# Altium PCB Three Phase Inverter Based on IR2111 Gate Driver.PcbDoc
Units mm, origin at the board's own origin, x right, y up, seen from the top; angles counter-clockwise.
Board outline 145 x 100 mm, 2 copper layers (Top Layer, Bottom Layer); 98 components, 42 nets, 231 pads, 0 vias.
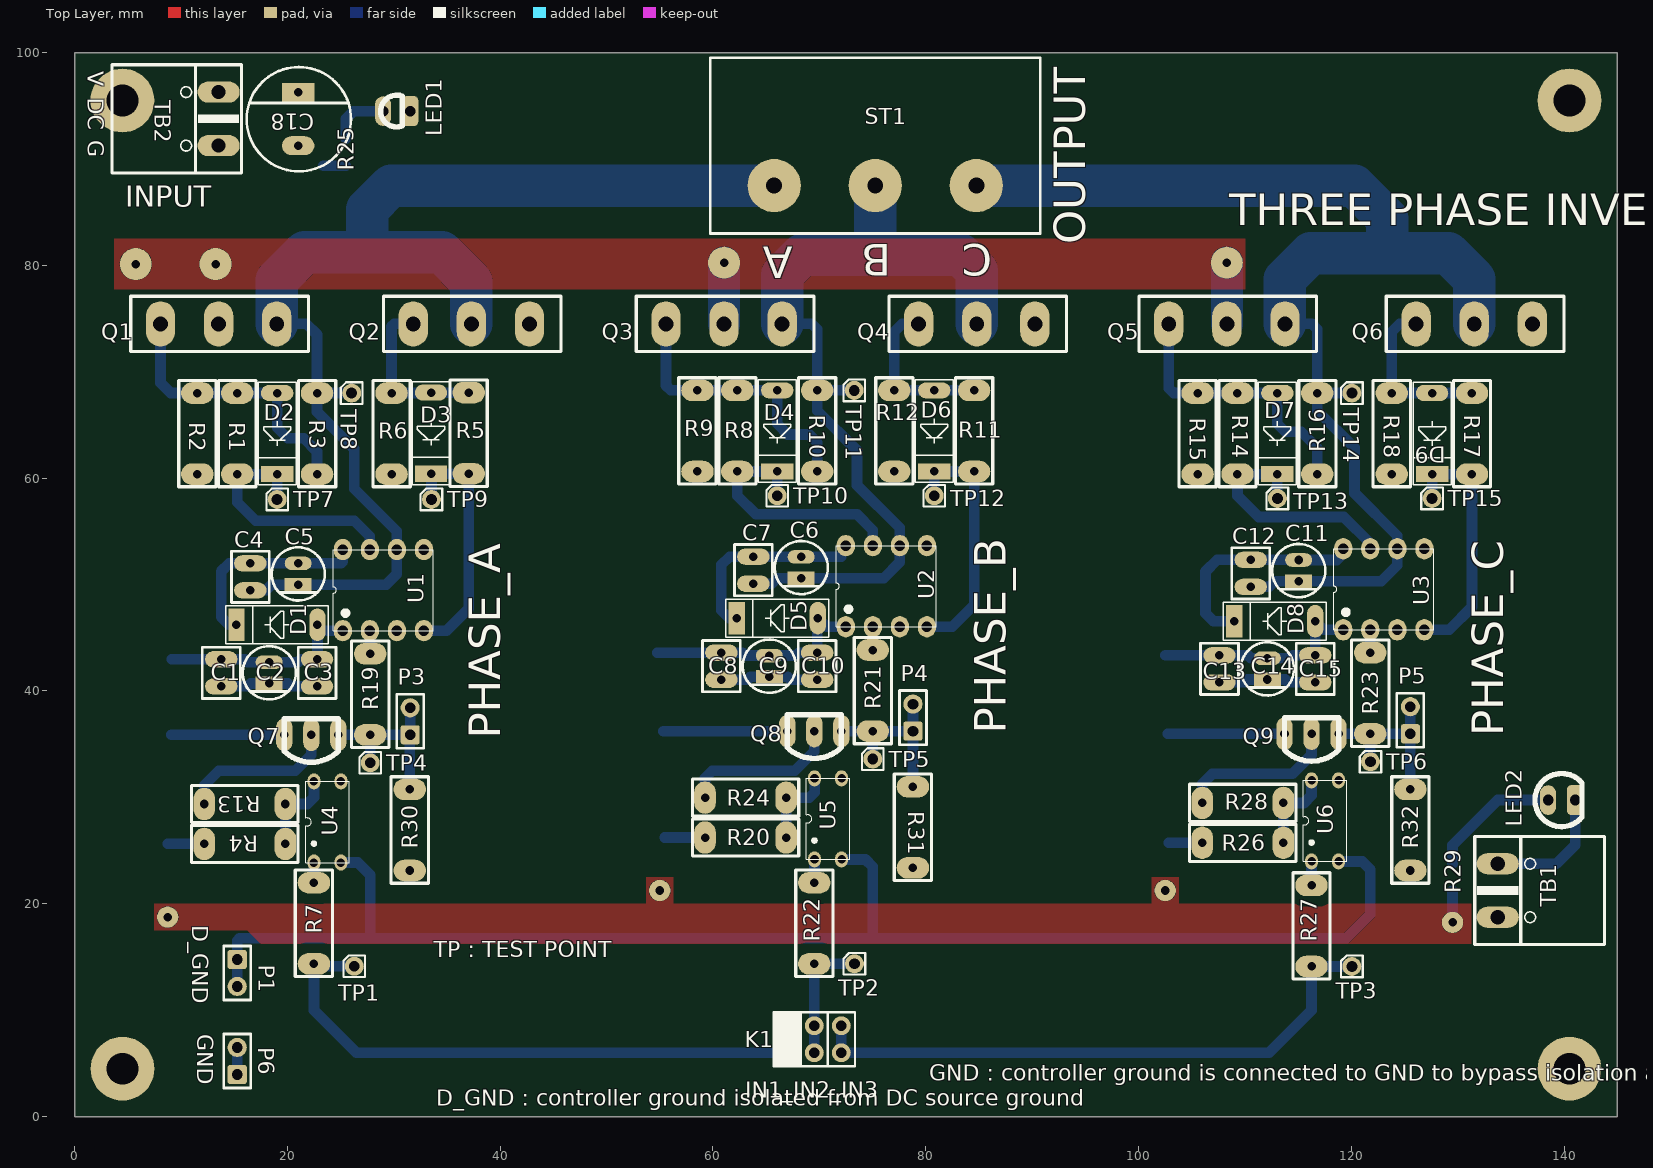
[diagram p0: Top Layer view]
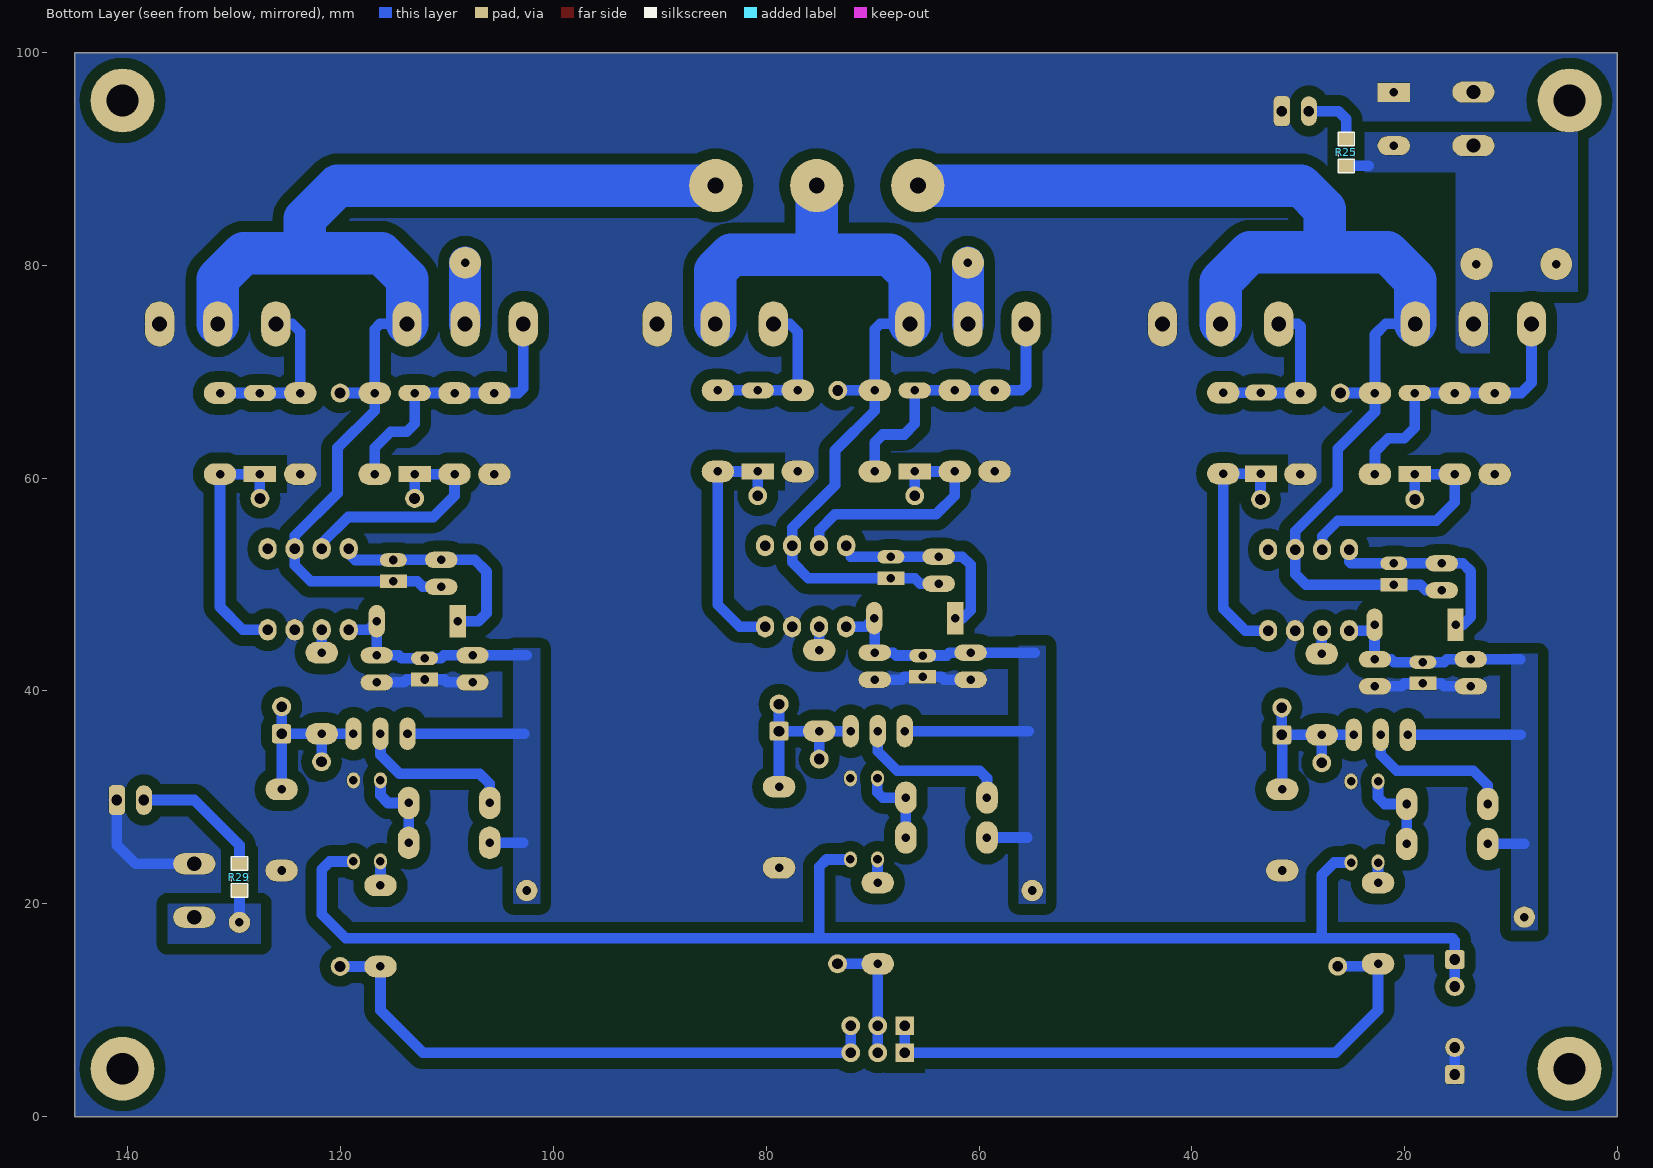
[diagram p1: Bottom Layer view, seen from below]
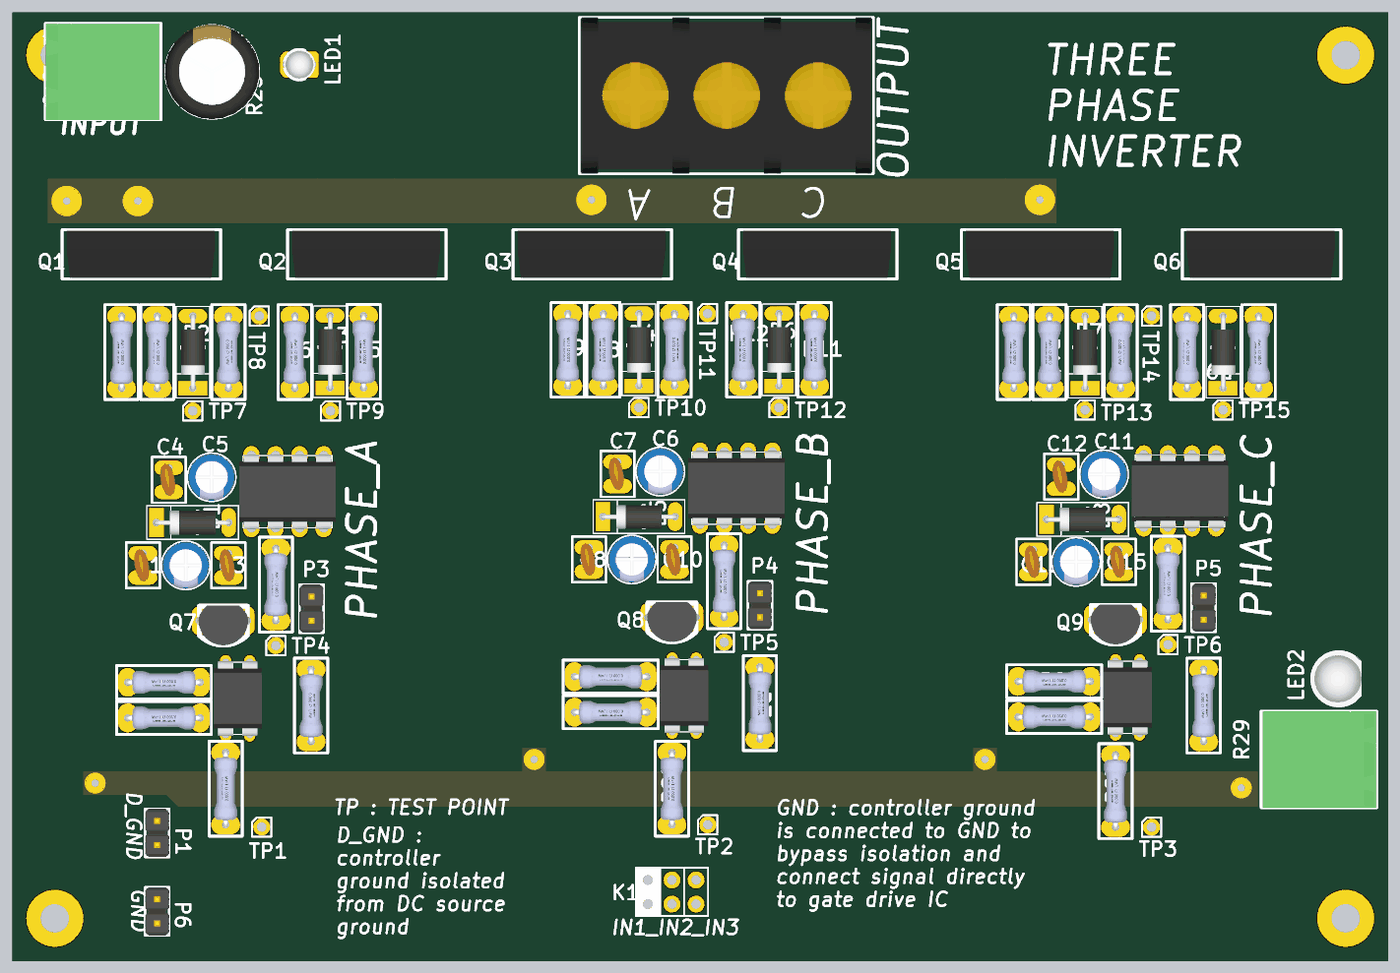
[diagram p2: 3D render of the assembled board from above, using the file's embedded part models]

## Layer stack, top to bottom
Top Solder: solder mask 0.0102, Solder Resist, Dk 3.5
Top Layer: signal copper 0.0356
Dielectric 1: dielectric 0.32, FR-4, Dk 4.8
Bottom Layer: signal copper 0.0356
Bottom Solder: solder mask 0.0102, Solder Resist, Dk 3.5

## Board outline
0,0 0,100 145,100 145,0

## Design rules (kind name [scope] priority, off if disabled: settings)
Clearance Clearance_PolyGon [InPolygon] p1: gap=1 ignorepadtopadclearanceinfootprint=FALSE
Clearance [All] p2: gap=0.5 ignorepadtopadclearanceinfootprint=FALSE
MatchedLengths DiffPair_MatchedLengths [InDifferentialPair ('pair1')] p1: tolerance=0.254 checknetsindiffpair=FALSE checkdiffpairvsdiffpair=TRUE checkxsignals=TRUE checkothers=TRUE
MatchedLengths pairs [InDifferentialPair ('pair1')] p2: tolerance=0.254 checknetsindiffpair=TRUE checkdiffpairvsdiffpair=FALSE checkxsignals=FALSE checkothers=FALSE
PolygonConnect [InPolygon] p1: connectstyle=Direct reliefconductorwidth=0.254 reliefentries=4 polygonreliefangle="90 Angle" airgapwidth=0.254
RoutingVias [All] p1: holewidth=0.711 width=1.8 viastyle="Through Hole" minholewidth=0.711 minwidth=1.5 maxholewidth=0.711 maxwidth=2
SolderMaskExpansion [All] p1: expansion=0.102 istentingtop=FALSE
UnRoutedNet [All] p1: checkbadconnections=TRUE
Width [All] p1: maxlimit=4 minlimit=1 preferedwidth=1
29 further rules are at their usual default settings.

## Components (designator, comment, footprint, x,y, rotation, side; value= is the part's Value field where it differs from the comment)
C1 "100nF" "CCAP 0.1 P Y" 13.79,41.71 r270 top
C2 "10uF" "ECAP 5X11X2MM" 18.29,41.71 r270 top
C3 "100nF" "CCAP 0.1 P Y" 22.79,41.71 r270 top
C4 "100nF" "CCAP 0.1 P Y" 16.52,50.73 r270 top
C5 "1uF" "ECAP 5X11X2MM" 21.02,51 r270 top
C6 "1uF" "ECAP 5X11X2MM" 68.29,51.6 r270 top
C7 "100nF" "CCAP 0.1 P Y" 63.79,51.35 r270 top
C8 "100nF" "CCAP 0.1 P Y" 60.79,42.33 r270 top
C9 "10uF" "ECAP 5X11X2MM" 65.29,42.33 r270 top
C10 "100nF" "CCAP 0.1 P Y" 69.79,42.33 r270 top
C11 "1uF" "ECAP 5X11X2MM" 115.04,51.31 r270 top
C12 "100nF" "CCAP 0.1 P Y" 110.54,51.06 r270 top
C13 "100nF" "CCAP 0.1 P Y" 107.6,42.08 r270 top
C14 "10uF" "ECAP 5X11X2MM" 112.1,42.08 r270 top
C15 "100nF" "CCAP 0.1 P Y" 116.6,42.08 r270 top
C18 "100uF" "ECAP 10X20X5MM" 21.02,93.75 r90 top
D1 "DIODE" DIODE-1N400X_0.3 19.02,46.23 r180 top
D2 "DIODE" DIODE-1N400X_0.3 19.04,64.19 r270 top
D3 "DIODE" DIODE-1N400X_0.3 33.5,64.23 r270 top
D4 "DIODE" DIODE-1N400X_0.3 66.04,64.44 r270 top
D5 "DIODE" DIODE-1N400X_0.3 66.04,46.85 r180 top
D6 "DIODE" DIODE-1N400X_0.3 80.79,64.44 r270 top
D7 "DIODE" DIODE-1N400X_0.3 113.04,64.19 r270 top
D8 "DIODE" DIODE-1N400X_0.3 112.79,46.56 r180 top
D9 "DIODE" DIODE-1N400X_0.3 127.58,64.19 r270 top
K1 "HEADER-2X3" HEADER-2X3 66.98,6 r90 top
LED1 "LED" "LED 3MM RED" 30.27,94.5 r0 top
LED2 "LED" "LED 5MM WHITE" 139.75,29.75 r0 top
P1 "Header 2" "PINHEADER X2" 15.29,13.5 r270 top
P3 "Header 2" "PINHEADER X2" 31.54,37.15 r90 top
P4 "Header 2" "PINHEADER X2" 78.79,37.5 r90 top
P5 "Header 2" "PINHEADER X2" 125.54,37.25 r90 top
P6 "Header 2" "PINHEADER X2" 15.29,5.23 r90 top
Q1 "MOSFET-N" TRANSISTOR-MOSFET_N_POWER 13.54,74.5 r0 top
Q2 "MOSFET-N" TRANSISTOR-MOSFET_N_POWER 37.29,74.5 r0 top
Q3 "MOSFET-N" TRANSISTOR-MOSFET_N_POWER 61.04,74.5 r0 top
Q4 "MOSFET-N" TRANSISTOR-MOSFET_N_POWER 84.79,74.5 r0 top
Q5 "MOSFET-N" TRANSISTOR-MOSFET_N_POWER 108.29,74.5 r0 top
Q6 "MOSFET-N" TRANSISTOR-MOSFET_N_POWER 131.54,74.5 r0 top
Q7 "PNP" "TRANSISTOR - DUPLICATE3" 22.25,35.88 r180 top
Q8 "PNP" "TRANSISTOR - DUPLICATE3" 69.52,36.23 r180 top
Q9 "PNP" "TRANSISTOR - DUPLICATE3" 116.25,35.98 r180 top
R1 "1.6R" "RESISTOR _1" 15.29,64.19 r90 top
R2 "10k" "RESISTOR _1" 11.54,64.19 r90 top
R3 "10k" "RESISTOR _1" 22.79,64.19 r270 top
R4 "10k" "RESISTOR _1" 16,25.63 r180 top
R5 "1.6R" "RESISTOR _1" 37.04,64.23 r90 top
R6 "10k" "RESISTOR _1" 29.79,64.19 r90 top
R7 "180R" "RESISTOR _1" 22.5,18.17 r90 top
R8 "1.6R" "RESISTOR _1" 62.29,64.44 r90 top
R9 "10k" "RESISTOR _1" 58.54,64.44 r90 top
R10 "10k" "RESISTOR _1" 69.79,64.44 r270 top
R11 "1.6R" "RESISTOR _1" 84.54,64.44 r90 top
R12 "10k" "RESISTOR _1" 77.04,64.44 r90 top
R13 "1k" "RESISTOR _1" 16,29.38 r180 top
R14 "1.6R" "RESISTOR _1" 109.29,64.19 r90 top
R15 "10k" "RESISTOR _1" 105.54,64.19 r90 top
R16 "10k" "RESISTOR _1" 116.79,64.19 r270 top
R17 "1.6R" "RESISTOR _1" 131.33,64.19 r90 top
R18 "10k" "RESISTOR _1" 123.79,64.19 r90 top
R19 "1k" "RESISTOR _1" 27.79,39.69 r90 top
R20 "10k" "RESISTOR _1" 63.06,26.23 r180 top
R21 "1k" "RESISTOR _1" 75.02,40.04 r90 top
R22 "180R" "RESISTOR _1" 69.52,18.17 r90 top
R23 "1k" "RESISTOR _1" 121.77,39.79 r90 top
R24 "1k" "RESISTOR _1" 63.06,29.98 r180 top
R25 "1k" "RESISTOR _9" 25.5,90.625 r180 bottom
R26 "10k" "RESISTOR _1" 109.79,25.73 r180 top
R27 "180R" "RESISTOR _1" 116.25,17.92 r90 top
R28 "1k" "RESISTOR _1" 109.79,29.48 r180 top
R29 "1k" "RESISTOR _9" 129.5,22.5 r180 bottom
R30 "10k" "RESISTOR _1" 31.5,26.94 r270 top
R31 "10k" "RESISTOR _1" 78.79,27.19 r270 top
R32 "10k" "RESISTOR _1" 125.54,26.94 r270 top
ST1 "SCREW TERMINAL x3" "SCREW TERMINAL  X3" 75.25,87.5 r180 top
TB1 "Terminal block 2 pin" "AK500/2 - PLUGGABLE" 133.75,21.25 r90 top
TB2 "Terminal block 2 pin" "AK500/2 - PLUGGABLE" 13.54,93.765 r270 top
TP1 "TESTPIN" TESTPIN 26.29,14.13 r0 top
TP2 "TESTPIN" TESTPIN 73.29,14.36 r0 top
TP3 "TESTPIN" TESTPIN 120.04,14.11 r0 top
TP4 "TESTPIN" TESTPIN 27.79,33.25 r0 top
TP5 "TESTPIN" TESTPIN 75.02,33.6 r0 top
TP6 "TESTPIN" TESTPIN 121.79,33.35 r0 top
TP7 "TESTPIN" TESTPIN 19.04,58 r0 top
TP8 "TESTPIN" TESTPIN 26.04,68 r0 top
TP9 "TESTPIN" TESTPIN 33.54,58 r0 top
TP10 "TESTPIN" TESTPIN 66.04,58.35 r0 top
TP11 "TESTPIN" TESTPIN 73.27,68.25 r0 top
TP12 "TESTPIN" TESTPIN 80.79,58.35 r0 top
TP13 "TESTPIN" TESTPIN 113.04,58.1 r0 top
TP14 "TESTPIN" TESTPIN 120.04,68 r0 top
TP15 "TESTPIN" TESTPIN 127.58,58.1 r0 top
U1 "IR2111" "IC X8 PIN" 29.02,49.48 r90 top
U2 "IR2111" "IC X8 PIN" 76.29,49.85 r90 top
U3 "IR2111" "IC X8 PIN" 123.04,49.56 r90 top
U4 "Opto-coupler" "IC X4 PIN" 23.77,27.69 r90 top
U5 "Opto-coupler" "IC X4 PIN" 70.81,27.98 r90 top
U6 "Opto-coupler" "IC X4 PIN" 117.52,27.79 r90 top

## Footprints (in the part's own frame and the unit in brackets; to place one, negate y for a bottom-side part, rotate by r counter-clockwise, add the part's x,y. Pads: shape width x height; smd on the part's side, far side on the other; paste and mask are expansions set on the pad)
"AK500/2 - PLUGGABLE" [mil]
  oval 78x156 hole 52: 1(99,0) 2(-99,0)
  silkscreen extent -200,-395 200,85, body extent -200,-394 200,79, height 336
"CCAP 0.1 P Y" [mil] "CERAMIC CAP"
  oval 60x120 hole 31.5: 1(-50,0) 2(50,0)
  silkscreen extent -95,-70 95,70, body extent -73,-46 73,36, height 138
DIODE-1N400X_0.3 [mil]
  oval 60x120 hole 31.5: A(-150,0)
  rect 60x120 hole 31.5: K(150,0)
  silkscreen extent -190,-70 190,70, body extent -160,-48 160,50, height 99
"ECAP 5X11X2MM" [mm] "polarized cap"
  oval 1.27x2.54 hole 0.8: A(-1,0)
  rect 1.27x2.54 hole 0.8: K(1,0)
  silkscreen extent -2.5,-2.5 2.5,2.5, body extent -2.5,-2.5 2.5,2.5, height 11.26
"ECAP 10X20X5MM" [mm] "polarized cap"
  oval 1.778x3.048 hole 0.8: A(-2.5,0)
  rect 1.778x3.048 hole 0.8: K(2.5,0)
  silkscreen extent -4.91,-4.96 4.89,4.84, body extent -5,-5.05 5,4.95, height 20
HEADER-2X3 [mil]
  rect 70x70 hole 40: 1(0,0) 2(100,0)
  round 70 hole 40: 3(0,-100) 4(100,-100) 5(0,-200) 6(100,-200)
  silkscreen extent -50,-250 150,50, body extent -50,-250 150,50, height 470
"IC X4 PIN" [mm]
  oval 1.5x1.2 hole 0.8: 1(-3.81,1.27) 2(-3.81,-1.27) 3(3.81,-1.27) 4(3.81,1.27)
  silkscreen extent -3.81,-2.03 3.81,2.03, body extent -3.93,-2.54 3.93,2.54, height 4.19
"IC X8 PIN" [mm]
  oval 2x1.7 hole 1: 1(-3.81,3.81) 2(-3.81,1.27) 3(-3.81,-1.27) 4(-3.81,-3.81) 5(3.81,-3.81) 6(3.81,-1.27) 7(3.81,1.27) 8(3.81,3.81)
  silkscreen extent -3.81,-4.7 3.81,4.7, body extent -3.94,-5.08 3.93,5.08, height 4.1
"LED 3MM RED" [mil]
  oval 60x110 hole 39.37: A(-50,0)
  rrect50% 60x110 hole 39.37: K(50,0)
  silkscreen extent -59,-59 20,59, body extent -65,-65 65,65, height 204
"LED 5MM WHITE" [mil]
  oval 60x110 hole 39.37: A(-50,0)
  rrect50% 60x110 hole 39.37: K(50,0)
  silkscreen extent -98,-98 75,98, body extent -117,-118 96,119, height 340
"PINHEADER X2" [mm]
  rrect25% 1.8x1.8 hole 1: 1(-1.27,0)
  round 1.8 hole 1: 2(1.27,0)
  silkscreen extent -2.54,-1.27 2.54,1.27, body extent -2.54,-1.27 2.54,1.27, height 9.5
"RESISTOR _1" [mil]
  oval 80x120 hole 31.5: 1(-150,0) 2(150,0)
  silkscreen extent -197,-69 197,69, body extent -162,-47 162,47, height 95
"RESISTOR _9" [mil]
  rect 56x46 smd: 1(0,50) 2(0,-50)
  silkscreen extent -30,-75 30,75, body extent -27,-45 27,45, height 28
"SCREW TERMINAL  X3" [mm]
  round 5 hole 1.5: 1(-9.5,0) 2(0,0) 3(9.5,0)
  silkscreen extent -15.5,-12 15.5,4.5, body extent -15.29,-12 15.29,4.5, height 18.5
TESTPIN [mil]
  round 70 hole 40: 1(0,0)
  silkscreen extent -40,-40 40,40, body extent -40,-40 40,40, height 470
"TRANSISTOR - DUPLICATE3" [mil] "TO-92-S"
  oval 60x120 hole 31.5: 1(100,0) 2(0,0) 3(-100,0)
  silkscreen extent -100,-60 100,101, body extent -110,-63 110,102, height 294
TRANSISTOR-MOSFET_N_POWER [mm]
  oval 2.75x4.25 hole 1.4: 1(-5.46,0) 2(0,0) 3(5.46,0)
  silkscreen extent -8.26,-2.6 8.44,2.6, body extent -7.8,-2.5 7.8,2.5, height 25

## Part data
C1 C3 C4 C7 C8 C10 C12 C13 C15: library part "CERAMIC CAP"
C2 C5 C6 C9 C11 C14 C18: library part "CAP POL"
P1 P3 P4 P5 P6: "Header, 2-Pin", LatestRevisionDate=17-Jul-2002, LatestRevisionNote="Re-released for DXP Platform.", Publisher="Altium Limited"
Q1 Q2 Q3 Q4 Q5 Q6: "N CHANNEL MOSFET"
R1 R2 R3 R4 R5 R6 R7 R8 R9 R10 R11 R12 R13 R14 R15 R16 R17 R18 R19 R20 R21 R22 R23 R24 R25 R26 R27 R28 R29 R30 R31 R32: library part RESISTOR
ST1: "Barrier Terminal Block 3 Pin with cover 300V/25A"
TB1 TB2: "Terminal Block 2 Pin 10A 300V"
TP1 TP2 TP3 TP4 TP5 TP6 TP7 TP8 TP9 TP10 TP11 TP12 TP13 TP14 TP15: "TESTPIN SINGLE PIN HEADER", Manufacturer 1="Sharon Long Industries", Manufacturer Part Number 1=Cut-it-yourself, Supplier 1 Part number=Cut-It-Yourself, Reel=TH, Supplier 1="Sharon Long Industries"
U1 U2 U3: "HALF-BRIDGE DRIVER"
U4 U5 U6: "4-Pin Phototransistor Optocoupler", DatasheetVersion=Nov-2003, LatestRevisionDate=04-Mar-2005, LatestRevisionNote="Sch pins 3 & 4 Swapped.", PackageReference=DIP-4, Published=24-Mar-1999, Publisher="Altium Limited"

## Free pads (board coordinates)
  round 6 hole 3: MH(4.497,95.5) MH(4.5,4.5) MH(140.5,4.5) MH(140.5,95.5)
  round 3 hole 0.8: via(5.75,80.125) via(13.25,80.125) via(61.04,80.25) via(108.29,80.25)
  round 2 hole 0.8: via(8.75,18.75) via(55,21.25) via(102.5,21.25) via(129.5,18.25)

## Nets (pads, with @x,y where several pads share a name; then routed paths per layer and width w, separated by ;. In a path a pad name is that pad's centre, name@x,y a point inside that pad or via, vN(x,y) a via of type N, cw(c..) or ccw(c..) an arc to the next point about the centre after c; other vN are vias at no path point)
D_GND: P1.1 P1.2 U4.2 U5.2 U6.2 | length 138.5
  Bottom Layer w1: P1.2 P1.1 15.29,16.54 15.5,16.75 27.79,16.75 ; U4.2 26.62,23.88 27.79,22.71 27.79,18 27.79,16.75 ; U5.2 74.33,24.17 75.02,23.48 75.02,16.75 ; U6.2 121.02,23.98 121.77,23.23 121.77,19.02 119.5,16.75 75.02,16.75 ; 27.79,16.75 75.02,16.75
DC: C18.A pad.MH@4.497,95.5 pad.via@5.75,80.125 pad.via@13.25,80.125 pad.via@61.04,80.25 pad.via@108.29,80.25 Q1.2 Q3.2 Q5.2 R25.2 TB2.1 | length 13.6
  Bottom Layer w1: 23.395,89.355 R25.2
  Bottom Layer w3: Q3.2 pad.via@61.04,80.25 ; Q5.2 pad.via@108.29,80.25
GND: C1.2 C2.K C3.2 C8.2 C9.K C10.2 C13.2 C14.K C15.2 C18.K LED1.K LED2.K P6.1 P6.2 Q2.3 Q4.3 Q6.3 R2.1 R6.1 R9.1 R12.1 R15.1 R18.1 R30.2 R31.2 R32.2 TB1.1 TB2.2 U1.3 U2.3 U3.3 U4.3 U5.3 U6.3 | length 42.4
  Bottom Layer w1: C1.2 16.29,40.44 16.56,40.71 C2.K 20.02,40.71 20.29,40.44 C3.2 ; P6.1 P6.2 ; C8.2 63.25,41.06 63.52,41.33 C9.K 67,41.33 67.27,41.06 C10.2 ; C13.2 110,40.81 110.27,41.08 C14.K 113.77,41.08 114.04,40.81 C15.2 ; TB1.1 139.265,23.765 141.02,25.52 LED2.K
HO1: D2.K R1.1 TP7.1 U1.7 | length 23.8
  Bottom Layer w0.7: U1.7@27.75,53.25 U1.7
  Bottom Layer w1: TP7.1 D2.K R1.1 15.29,57.75 17.04,56 26.29,56 27.75,54.54 U1.7
HO2: D4.K R8.1 TP10.1 U2.7 | length 23.8
  Bottom Layer w1: TP10.1 D4.K R8.1 62.29,58.35 64.04,56.6 73.54,56.6 75.02,55.12 U2.7
HO3: D7.K R14.1 TP13.1 U3.7 | length 22.9
  Bottom Layer w1: TP13.1 D7.K R14.1 109.29,58.35 111.29,56.35 119.29,56.35 121.77,53.87 U3.7
IN1: P3.1 P3.2 Q7.3 R19.1 R30.1 TP4.1 | length 17.1
  Bottom Layer w1: Q7.3 R19.1 ; TP4.1 R19.1 ; R30.1 31.5,35.84 P3.1 ; P3.2 P3.1 ; R19.1 P3.1
IN1_OP: K1.1 K1.2 R7.1 TP1.1 | length 56.6
  Bottom Layer w1: TP1.1 22.5,14.13 22.5,10 26.5,6 K1.1 K1.2
IN2: P4.1 P4.2 Q8.3 R21.1 R31.1 TP5.1 | length 17.1
  Bottom Layer w1: Q8.3 R21.1 ; TP5.1 R21.1 ; R31.1 P4.1 ; P4.2 P4.1 ; R21.1 P4.1
IN2_OP: K1.3 K1.4 R22.1 TP2.1 | length 12.1
  Bottom Layer w1: K1.3 K1.4 R22.1 TP2.1
IN3: P5.1 P5.2 Q9.3 R23.1 R32.1 TP6.1 | length 17.2
  Bottom Layer w1: Q9.3 R23.1 ; TP6.1 121.77,33.37 R23.1 ; R32.1 P5.1 ; P5.2 P5.1 ; R23.1 P5.1
IN3_OP: K1.5 K1.6 R27.1 TP3.1 | length 56.3
  Bottom Layer w1: K1.6 K1.5 112.25,6 116.25,10 R27.1 TP3.1
LO1: D3.K R5.1 TP9.1 U1.4 | length 23.7
  Bottom Layer w0.7: D3.K D3.K@33.54,60.38
  Bottom Layer w1: U1.4 34.96,45.67 37.04,47.75 R5.1 D3.K ; TP9.1 D3.K@33.54,60.38
LO2: D6.K R11.1 TP12.1 U2.4 | length 23.9
  Bottom Layer w1: U2.4 82.48,46.04 84.54,48.1 R11.1 D6.K TP12.1
LO3: D9.K R17.1 TP15.1 U3.4 | length 23.9
  Bottom Layer w1: U3.4 129.19,45.75 131.33,47.89 R17.1 D9.K TP15.1
NetC4_1: C4.1 C5.A D1.K U1.8 | length 19
  Bottom Layer w1: D1.K 14.52,46.23 13.77,46.98 13.77,51.23 14.54,52 C4.1 C5.A 25.04,52 25.21,52.17 U1.8
NetC6_A: C6.A C7.1 D5.K U2.8 | length 16.9
  Bottom Layer w1: D5.K@61.54,46.85 60.79,47.6 60.79,51.85 61.56,52.62 63.54,52.62 68.04,52.62 72.06,52.62
NetC11_A: C11.A C12.1 D8.K U3.8 | length 21
  Bottom Layer w1: D8.K 107.04,46.56 106.29,47.31 106.29,51.23 107.39,52.33 C12.1 115.02,52.33 C11.A 118.62,52.31 119.23,52.92 U3.8
NetD2_A: D2.A Q1.1 R1.2 R2.2 R3.2 | length 26.9
  Bottom Layer w1: Q1.1 8.08,68.96 9.04,68 R2.2 R1.2 D2.A 19.04,64.75 20.04,63.75 21.54,63.75 22.79,62.5 R3.2
NetD3_A: D3.A Q2.1 R5.2 R6.2 | length 15.7
  Bottom Layer w0.7: D3.A@33.46,68 D3.A
  Bottom Layer w1: Q2.1 30.04,74.5 29.79,74.25 R6.2 D3.A@33.46,68 ; D3.A R5.2
NetD4_A: D4.A Q3.1 R8.2 R9.2 R10.2 | length 26.8
  Bottom Layer w1: Q3.1 55.58,68.71 56.04,68.25 R9.2 R8.2 D4.A 66.04,65.1 67.04,64.1 69.04,64.1 69.79,63.35 R10.2
NetD6_A: D6.A Q4.1 R11.2 R12.2 | length 15.6
  Bottom Layer w1: Q4.1 77.79,74.5 77.04,73.75 R12.2 D6.A R11.2
NetD7_A: D7.A Q5.1 R14.2 R15.2 R16.2 | length 26.5
  Bottom Layer w1: Q5.1 102.83,68.46 103.29,68 R15.2 R14.2 D7.A 113.04,65.1 113.79,64.35 115.29,64.35 116.79,62.85 R16.2
NetD9_A: D9.A Q6.1 R17.2 R18.2 | length 15.9
  Bottom Layer w1: Q6.1 124.54,74.5 123.79,73.75 R18.2 D9.A R17.2
NetLED1_A: LED1.A R25.1 | length 5.7
  Bottom Layer w1: R25.1 25.5,93.75 26.25,94.5 LED1.A
NetLED2_A: LED2.A R29.1 | length 12.5
  Bottom Layer w1: R29.1 129.5,25.5 133.75,29.75 LED2.A
NetQ7_2: Q7.2 R13.2 | length 14.9
  Bottom Layer w1: R13.2 12.19,31.134 13.556,32.5 20.75,32.5 22.25,34 Q7.2
NetQ8_2: Q8.2 R24.2 | length 15
  Bottom Layer w1: R24.2 59.25,31.81 59.944,32.504 67.694,32.504 69.52,34.33 Q8.2
NetQ9_2: Q9.2 R28.2 | length 15.2
  Bottom Layer w1: R28.2 105.98,31.274 106.936,32.23 114.467,32.23 116.25,34.013 Q9.2
NetR4_1: R4.1 R13.1 U4.4 | length 8.2
  Bottom Layer w1: R4.1 R13.1 21.88,29.38 22.5,30 U4.4
NetR7_2: R7.2 U4.1 | length 1.9
  Bottom Layer w1: R7.2 U4.1
NetR19_2: R19.2 U1.2 | length 2.2
  Bottom Layer w1: U1.2 27.79,45.63 R19.2
NetR20_1: R20.1 R24.1 U5.4 | length 8
  Bottom Layer w1: R20.1 R24.1 69.06,29.98 69.56,30.48 69.56,31.77 U5.4
NetR21_2: R21.2 U2.2 | length 2.2
  Bottom Layer w1: R21.2 U2.2
NetR22_2: R22.2 U5.1 | length 2.2
  Bottom Layer w1: R22.2 69.54,22 U5.1
NetR23_2: R23.2 U3.2 | length 2.2
  Bottom Layer w1: R23.2 U3.2
NetR26_1: R26.1 R28.1 U6.4 | length 8.1
  Bottom Layer w1: R26.1 R28.1 115.54,29.48 116.25,30.19 U6.4
NetR27_2: R27.2 U6.1 | length 2.3
  Bottom Layer w1: R27.2 U6.1
PHASE_A: C4.2 C5.K Q1.3 Q2.2 R3.1 ST1.3 TP8.1 U1.6 | length 119.3
  Bottom Layer w1: C4.2 18,49.46 18.54,50 C5.K 29.29,50 30.29,51 U1.6 30.29,55 26.29,59 26.29,62.75 22.79,66.25 R3.1 ; Q1.3 21.79,74.5 22.79,73.5 R3.1 ; TP8.1 R3.1
  Bottom Layer w4: Q1.3 19,78.607 21.643,81.25 27.5,81.25 ; Q2.2 37.29,78.46 34.5,81.25 27.5,81.25 ; ST1.3 29.75,87.5 27.5,85.25 27.5,81.25
PHASE_B: C6.K C7.2 Q3.3 Q4.2 R10.1 ST1.2 TP11.1 U2.6 | length 82.5
  Bottom Layer w1: C7.2 65.52,50.08 66.04,50.6 C6.K 76.04,50.6 77.56,52.12 U2.6 77.56,55.33 73.54,59.35 73.54,62.6 69.79,66.35 R10.1 ; Q3.3 69.29,74.5 69.79,74 R10.1 ; TP11.1 R10.1
  Bottom Layer w4: Q3.3 66.5,79.13 68.37,81 75.25,81 ; ST1.2 75.25,81 ; Q4.2 84.79,79.5 83.29,81 75.25,81
PHASE_C: C11.K C12.2 Q5.3 Q6.2 R16.1 ST1.1 TP14.1 U3.6 | length 117.8
  Bottom Layer w1: C12.2 112.27,49.79 112.79,50.31 C11.K 122.79,50.31 124.31,51.83 U3.6 124.31,54.58 120.29,58.6 120.29,62.85 116.79,66.35 R16.1 ; Q5.3 116.29,74.5 116.79,74 R16.1 ; TP14.1 R16.1
  Bottom Layer w4: ST1.1 120.25,87.5 123.35,84.4 123.35,81.15 ; Q5.3 113.75,78.71 116.19,81.15 123.35,81.15 ; Q6.2 131.54,78.71 129.1,81.15 123.35,81.15
VCC: C1.1 C2.A C3.1 C8.1 C9.A C10.1 C13.1 C14.A C15.1 D1.A D5.A D8.A pad.via@8.75,18.75 pad.via@55,21.25 pad.via@102.5,21.25 pad.via@129.5,18.25 Q7.1 Q8.1 Q9.1 R4.2 R20.2 R26.2 R29.2 TB1.2 U1.1 U2.1 U3.1 | length 108.7
  Bottom Layer w1: 8.75,25.63 R4.2 ; 9.111,35.88 Q7.1 ; 9.14,42.98 C1.1 16.02,42.98 16.29,42.71 C2.A 21,42.71 21.27,42.98 C3.1 22.83,43.02 D1.A 23.39,45.67 U1.1 ; R4.2@11.79,25.03 R4.2@12.04,24.78 ; 54.75,43.6 C8.1 62.77,43.6 63.04,43.33 C9.A 67.79,43.33 68.06,43.6 C10.1 69.79,46.79 D5.A 70.66,46.04 U2.1 ; 55.35,36.23 Q8.1 ; 55.48,26.23 R20.2 R20.2@59.29,26.19 ; 102.52,43.35 C13.1 110.29,43.35 110.56,43.08 C14.A 114.27,43.08 114.54,43.35 C15.1 D8.A 117.41,45.75 U3.1 ; 102.727,35.98 Q9.1 ; 102.83,25.73 R26.2 ; pad.via@129.5,18.25 R29.2
pads on no net: U1.5 U2.5 U3.5

## Polygon pours and split planes (outlines as drawn)
GND on Bottom Layer "GND_L02_P077" (solid, remove dead copper, pour order 77): 0,0 0,100 145,100 145,0
VCC on Bottom Layer "VCC_L02_P052" (solid, remove dead copper, pour order 52): 127.5,20 136.25,20 136.25,16.25 127.5,16.25
DC on Bottom Layer "DC_L02_P046" (solid, remove dead copper, pour order 46): 23.75,92.5 23.75,88.75 15.21,88.75 15.21,72.21 14.75,71.75 12,71.75 12,77.5 3.75,77.5 3.75,92.5
VCC on Bottom Layer "VCC_L02_P072" (solid, remove dead copper, pour order 72): 56.25,20 53.75,20 53.75,44.25 56.25,44.25
VCC on Bottom Layer "VCC_L02_P064" (solid, remove dead copper, pour order 64): 101.25,44 103.75,44 103.75,20 101.25,20
VCC on Bottom Layer "VCC_L02_P058" (solid, remove dead copper, pour order 58): 10,17.5 7.5,17.5 7.5,43.5 7.75,43.5 10,43.5
VCC on Top Layer "VCC_L01_P074" (solid, remove dead copper, pour order 74): 56.25,20 56.25,22.5 53.75,22.5 53.75,20
VCC on Top Layer "VCC_L01_P066" (solid, remove dead copper, pour order 66): 101.25,20 101.25,22.5 103.75,22.5 103.75,20
VCC on Top Layer "VCC_L01_P054" (solid, remove dead copper, pour order 54): 131.25,20 131.25,16.25 17.5,16.25 16.25,17.5 7.5,17.5 7.5,20
DC on Top Layer "DC_L01_P050" (solid, remove dead copper, pour order 50): 3.75,82.499 3.75,77.75 110,77.75 110,82.5 15.25,82.5

## Silkscreen, mask and mechanical layers (free items; w line width, h text height)
Top Overlay:
  text "V" at 1.25,98.25 h1.5 r270
  text "DC" at 1.25,95.75 h1.5 r270
  text "G" at 1.25,91.75 h1.5 r270
  text "INPUT" at 4.75,85.5 h2
  text "THREE PHASE INVERTER" at 108.5,83.75 h3
  text "B" at 76.75,82 h3 r180
  text "C" at 86.25,82 h3 r180
  text "OUTPUT" at 95,82 h3 r90
  text "A" at 67.5,81.75 h3 r180
  text "PHASE_B" at 87.5,36 h3 r90
  text "PHASE_C" at 134.25,35.75 h3 r90
  text "PHASE_A" at 40,35.5 h3 r90
  text "D_GND" at 11.04,18 h1.5 r270
  text "TP : TEST POINT" at 33.75,15 h1.5
  text "GND" at 11.54,7.75 h1.5 r270
  text "GND : controller ground is connected to GND to bypass isolation and connect signal directly to gate drive IC" at 80.33,3.376 h1.5
  text "IN1_IN2_IN3" at 63.02,1.75 h1.5
  text "D_GND : controller ground isolated from DC source ground" at 34,1 h1.5
Mechanical 1:
  the board outline again, w0.3